# KiCad board ulx4m_panel.kicad_pcb (continued)
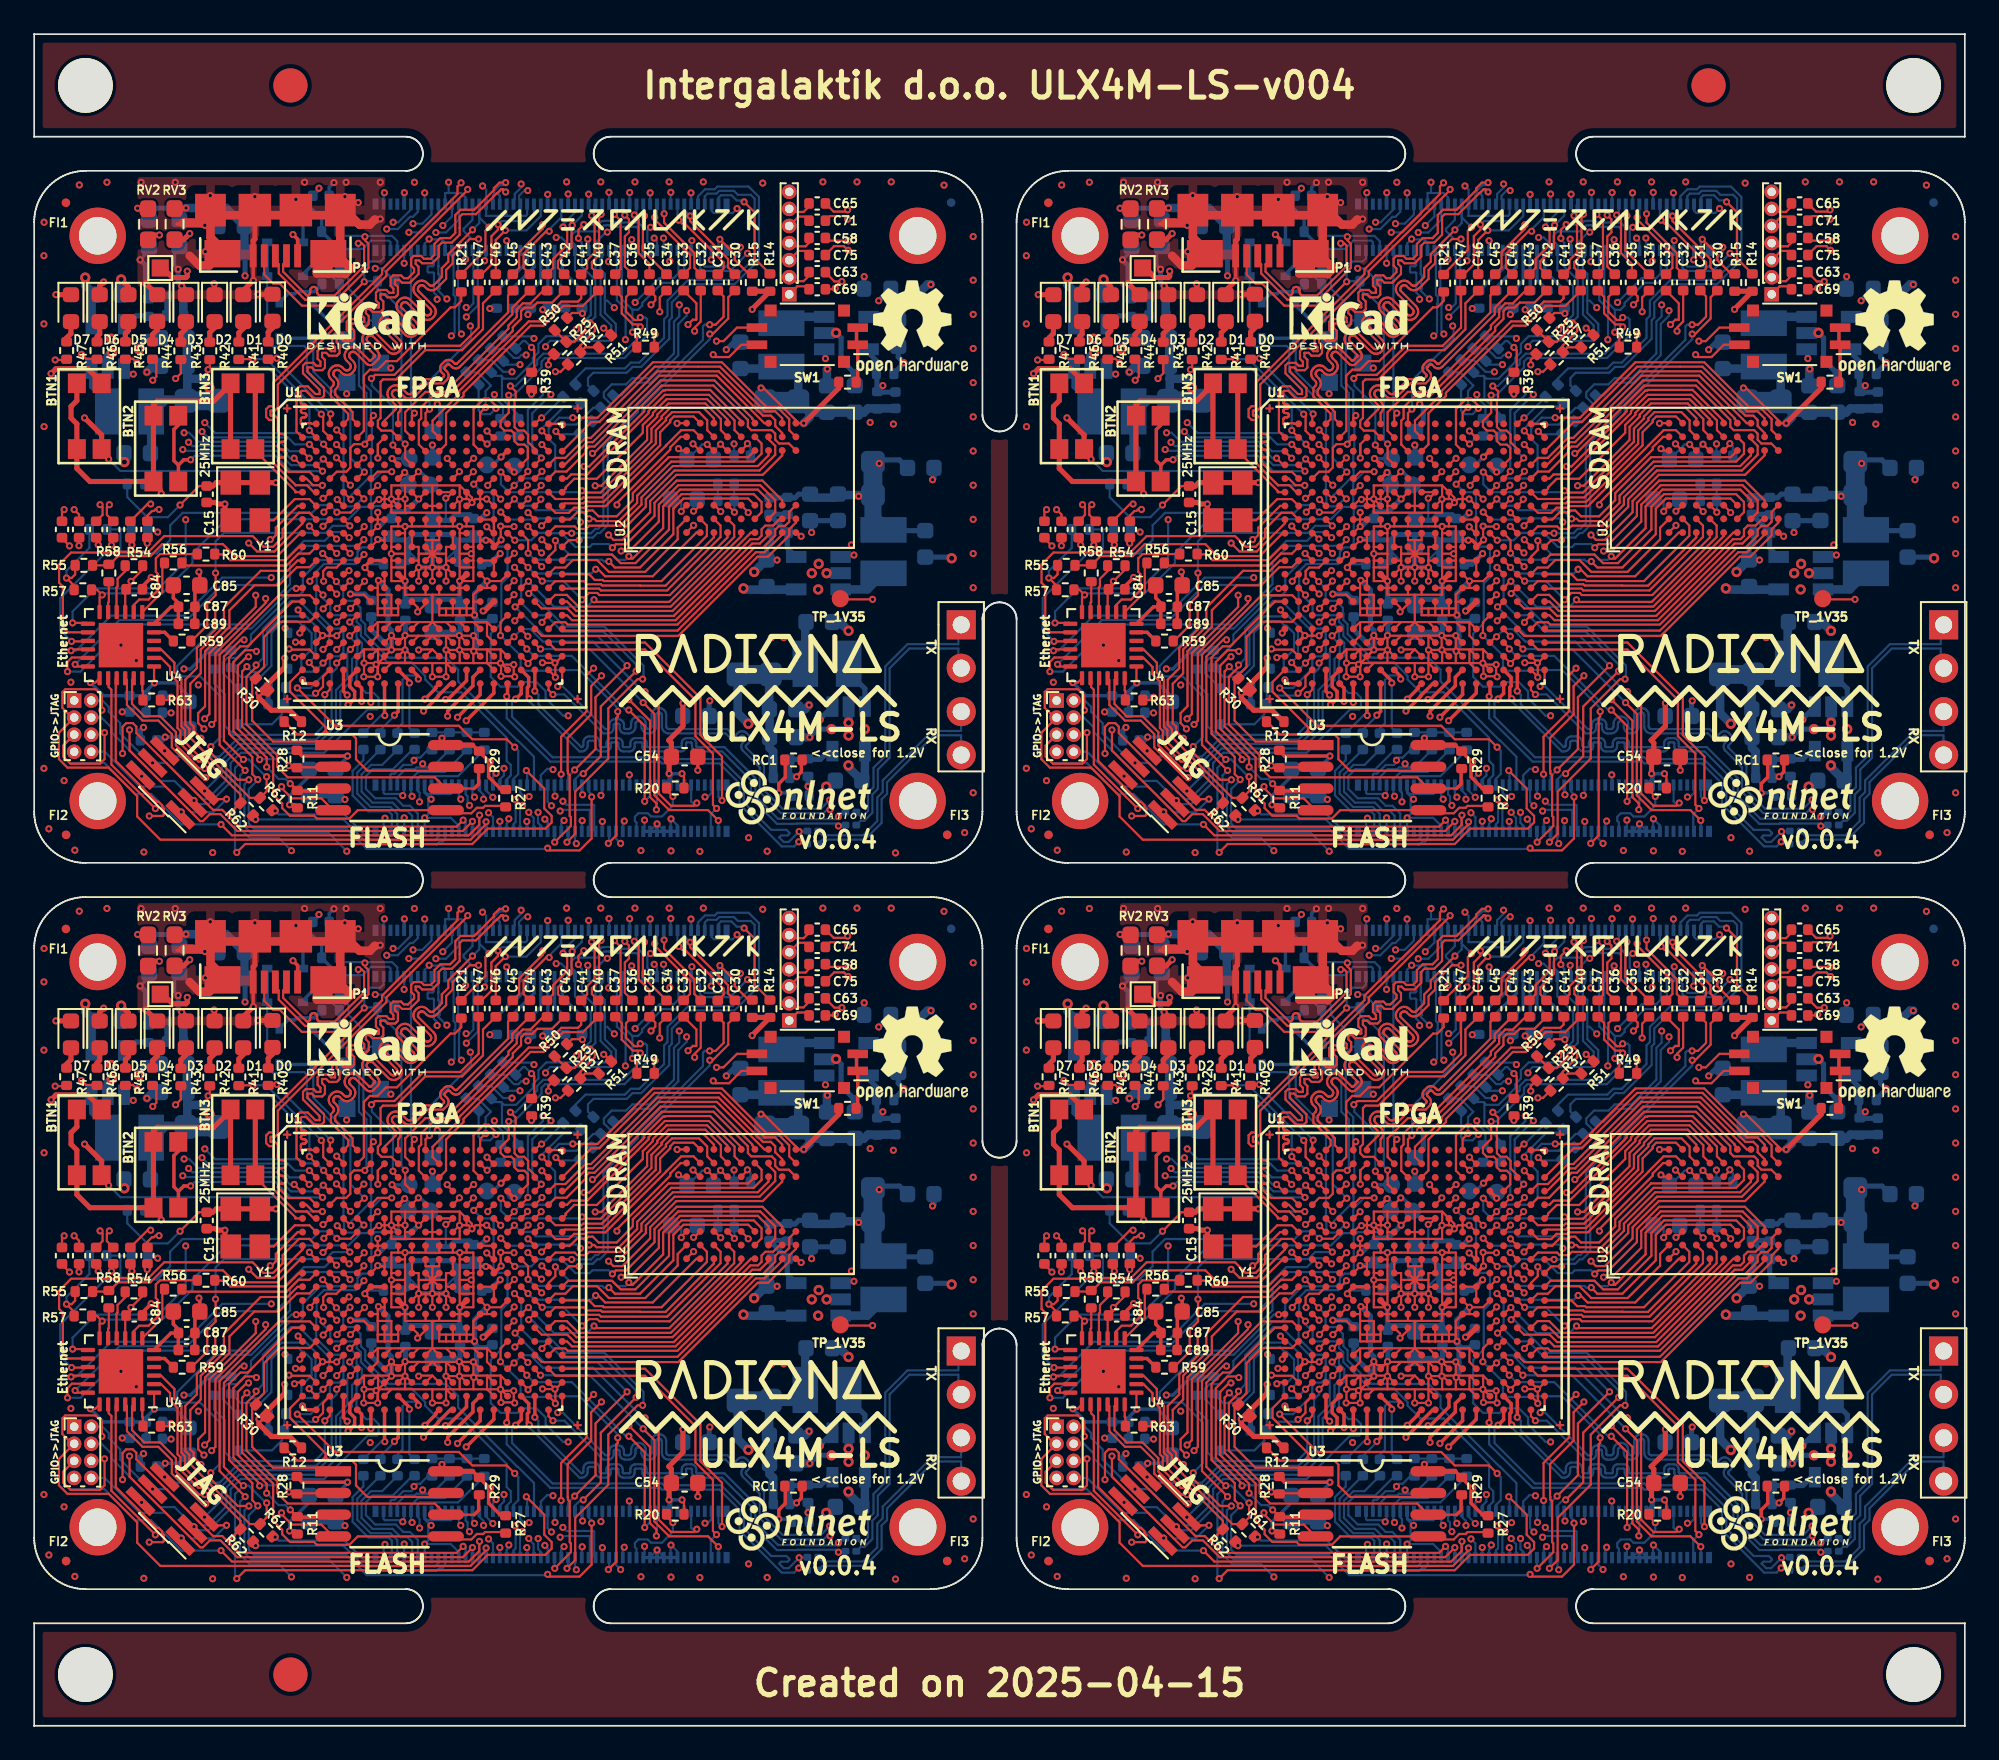
[diagram p0: board, top side]
## Routing (per net, layer and track width the routed paths; a pad name or vN(x,y) marks a point on that pad's centre or on a via; arc(x,y) is an arc through that point) (continued)
  Top w0.3: v1(70.67,60.45) 71.05,60.45 71.19,60.6 ; v1(70.67,60.45) 70.67,60.16 71.39,59.44 72.46,59.44 73.13,58.77 ; v1(70.67,60.45) 72.18,61.97 v1(72.18,62.49) ; v1(70.67,60.45) 70.63,60.42 ; 74.45,63.83 74.43,63.81 v1(74.39,63.81) ; v1(66.62,87.33) 66.26,86.97 RV3#4.2 ; v1(95.49,59.85) 95.49,58.51 94.66,57.68 94.81,57.53 C54#3.1 94.68,56.59 v3(94.68,55.73) ; R70#3.1 104.61,78.29 v1(102.56,76.24) ; C15.1 67.97,72.56 68.17,72.76 Y1#4.1 Y1#4.4 71.66,72.76 v1(71.66,72.75) ; 83.18,57.4 U3#2.8
  POWER.Cu w0.127: 95.18,78.6 95.15,78.56 v1(95.15,76.23) ; v1(63.17,66.98) 63.07,66.88 59.7,66.88 v1(59.4,67.18) ; v3(76.87,67.79) 77.09,67.57 77.99,67.57 78.14,67.42 78.14,67.02 v3(79.96,65.2)
  POWER.Cu w0.2: 73.35,68.19 73.32,68.22 72,68.22 ; v1(74.18,89.99) 75.6,88.57 76.77,88.57 77.48,87.86 v1(77.48,85.3) 77.48,83.14 80.84,79.78 82.47,79.78 84.56,81.87 86.27,81.87 v3(87.28,82.88) 87.28,81.85 87.53,81.6 87.89,81.6 90.89,78.6 99.76,78.6 v3(100.06,78.3) ; 94.11,55.75 94.35,55.75 94.36,55.76 94.65,55.76 v3(94.68,55.73) 94.68,55.72 v3(95.43,55.72) ; 70.76,68.22 70.44,68.53 70.44,68.87
  POWER.Cu w0.3: 70.44,68.87 70.36,68.79 70.36,68.53 70.62,68.27 70.76,68.27 70.81,68.21 71.05,68.21 71.22,68.05 72,68.05 ; v3(75.85,56.76) 74.06,56.76 70.67,60.15 v1(70.67,60.45) 69.65,59.44 67.2,59.44 66.28,60.36 v1(66.28,61.86) ; v3(75.85,56.76) 76.8,55.81 83.62,55.81 v1(84.21,56.4) 84.42,56.61 93.25,56.61 94.11,55.75 ; v3(75.85,56.76) 73,53.9 v3(72.46,53.9) 72.33,54.03 71.38,54.03 71.09,53.74 67.13,53.74 66.85,53.46 64.72,55.58 v1(63.8,55.58) 63.8,57.05 64.62,57.87 v1(65.18,57.87) ; 72.2,62.27 72.2,62.47 v1(72.18,62.49) ; 72,68.05 72,66.42 72.33,66.09 72.33,65.97 73.02,65.97 73.6,65.39 ; 72,68.05 72,68.22 ; v1(84,71) 84.01,70.99 v1(84.01,70.17) ; v1(66.62,87.33) 67.19,87.33 68.75,85.78 73.98,85.78 76.77,88.57 ; v3(106.1,84.82) 106.1,83.62 104.86,82.38 103.54,82.38 103,81.84 103,81.24 v3(100.06,78.3) ; 73.35,68.19 74.01,68.19 ; v1(75.22,63.8) 74.4,63.8 v1(74.39,63.81)
  POWER.Cu w0.5: v1(74.39,63.81) 73.6,64.6 73.6,65.39
  Bottom w0.127: v1(99.26,75.04) 99.44,74.86 C80.1 ; v1(96.91,75) 96.62,75 95.74,74.12 C78.1 95.73,74.25 v1(95.23,74.74) ; R19#4.2 77.88,85.3 v1(77.48,85.3) ; 71.2,60.77 R31#2.1 ; v3(76.87,67.79) 77.06,67.98 C14#4.1 ; J1#4.84 J1#4.86 ; v1(96.11,71.09) 96.12,71.09 96.33,71.29 C82#3.1 ; RP3#2.2 100.06,77.76 v3(100.06,78.3) ; R53.1 60.74,68.96 60.75,68.95 59.4,67.6 v1(59.4,67.18) ; v3(66.05,71.45) 65.34,70.74 64.13,70.74 62.96,71.91 R18#4.2 ; R67#4.2 R66#4.2 ; R67#4.2 R65.2 R64#4.2 ; R67#4.2 81.71,58.14 v3(81.38,57.81) ; C79#2.1 C81#3.1 98.5,71.68 v1(98.5,71.03) ; 84.03,67.98 C13#4.1 ; v3(81.61,71.85) 81.61,70.55
  Bottom w0.2: C51#4.1 75.85,56.7 v3(75.85,56.76) ; C50.1 73.59,55.56 72.46,54.43 v3(72.46,53.9) ; J1#4.84 94.68,55.37 v3(94.68,55.73) ; v1(66.28,61.86) 66.66,61.86 67.72,62.92 69.04,62.92 ; v3(87.28,82.88) 87.37,82.97 R16#2.1 88.57,82.97 R8#2.1 ; v1(65.18,57.87) 65.96,57.87 66.45,58.36 FB1#3.1 ; v1(74.18,89.99) 74.18,89.91 C18#3.1 ; J1#4.86 94.77,55.59 94.9,55.72 v3(95.43,55.72)
  Bottom w0.3: v3(106.1,84.82) 106.08,84.8 C52#2.1 ; C21#4.1 64.99,57.68 v1(65.18,57.87) ; C99#4.2 71.2,60.77 ; C20.1 81.83,70.55 82.15,70.88 83.02,70.88 C25#4.1 83.66,70.66 v1(84,71) ; 84.03,67.98 84.17,67.98 v1(84.79,68.6) ; C50.1 C51#4.1 ; R31#2.1 70.99,60.78 v1(70.67,60.45) ; v1(95.49,59.85) 95.48,59.83 C16.1
  Bottom w0.5: 101.25,79.25 101.07,79.43 C24#2.1 ; 102.9,76.86 RP3#2.1 102.24,78.93 101.62,79.55 L3#3.2 ; 102.9,76.86 106.07,76.86 106.32,77.1 C6#3.1 ; 102.9,76.86 102.9,76.57 v1(102.56,76.24)
Board_1-DSI0_C_N: length 20.9
  Top w0.127: R39#4.1 86.79,79.37 86.79,80.51 v1(86.62,80.67)
  In2signal.Cu w0.127: v1(86.62,80.67) 86.81,80.67 87.27,81.12 v1(92.12,81.12)
  POWER.Cu w0.127: v1(92.12,81.12) 92.13,81.13 92.13,82.75 v1(92.69,83.31)
  Bottom w0.127: J2#3.87 95.22,86.29 95.22,85 94.95,84.73 94.11,84.73 v1(92.69,83.31) ; 91.57,86.2 91.62,86.14 91.62,83.42 92.13,82.91 92.13,81.11 ; R38.2 86.13,81.05 86.25,81.05 v1(86.62,80.67)
Board_1-DSI0_C_P: length 20.5
  Top w0.127: v1(92.53,81.56) 92.79,81.3 R49.1
  In2signal.Cu w0.127: v1(86.77,81.2) 88.88,83.31 90.48,83.31 92.24,81.56 v1(92.53,81.56)
  Bottom w0.127: v1(86.77,81.2) 86.65,81.32 R26#3.1 ; 92.53,82.87 v1(92.53,81.56) ; 92.53,82.87 91.91,83.49 91.91,86.14 91.97,86.2 ; 92.53,82.87 92.86,82.87 93.09,83.1 93.1,83.1 93.1,83.27 94.28,84.45 95.05,84.45 95.57,84.96 J2#3.89
Board_1-DSI0_D0_N: length 16.3
  Top w0.127: R51.1 89.76,80.68 R37#4.2 89.48,80.78 90.33,81.63 90.33,82.02 90.1,82.25 89.77,82.25 v1(89.25,81.73)
  Bottom w0.127: 89.17,86.2 89.17,85.19 90.09,84.27 90.09,82.57 v1(89.25,81.73) ; J2#3.75 92.86,86.44 92.86,86.83 92.89,86.86 92.89,87.59 92.76,87.73 91.35,87.73 91.28,87.8 91.18,87.8 91.15,87.83 91.01,87.83 90.99,87.81 90.85,87.81 90.5,87.46 89.18,87.46 88.95,87.23 88.95,86.88 89.17,86.67 J2#3.57
Board_1-DSI0_D0_P: length 14.3
  Top w0.127: v1(89.68,87.86) 89.37,87.55 v1(89.37,87.06) ; R50.1 87.98,81.68 R25#2.1 89.13,81 v1(89.92,81.78)
  Bottom w0.127: J2#3.77 93.15,86.37 93.15,87.7 92.87,87.98 91.46,87.98 91.39,88.05 91.29,88.05 91.26,88.08 90.9,88.08 90.89,88.07 90.75,88.07 90.55,87.86 v1(89.68,87.86) ; v1(89.92,81.78) 89.92,82.02 90.36,82.47 90.36,84.62 89.57,85.41 89.57,86.2 ; v1(89.37,87.06) 89.37,87 89.57,86.8 J2#3.59
Board_1-DSI0_D1_N: length 22.3
  In2signal.Cu w0.127: v1(91.06,87.42) 91.55,87.91 92.81,87.91 93.65,87.07 v1(93.8,87.07)
  Bottom w0.127: R48#3.1 85.83,76.74 84.89,77.68 84.89,78.96 84.85,79.01 ; 84.85,79.01 85.02,78.84 85.72,78.84 86.7,79.83 86.7,80.05 87.03,80.38 87.03,80.87 87.49,81.33 91.23,81.33 91.29,81.39 91.29,81.95 90.67,82.58 90.67,84.87 90.37,85.17 90.37,86.2 ; 84.85,79.01 84.47,79.01 R36#3.2 ; v1(91.06,87.42) 90.98,87.42 90.37,86.8 J2#3.63 ; v1(93.8,87.07) 93.97,86.9 J2#3.81
Board_1-DSI0_D1_P: length 28.7
  In2signal.Cu w0.127: v1(87.45,80.71) 87.45,80.5 86.19,79.24 v1(85.48,79.24) 85.15,79.24 84.45,78.55 v1(84.45,77.91) ; v1(91.47,83) 90.53,83.94 90.53,86.29 91.85,87.61 92.69,87.61 93.71,86.59 94.35,86.59 v1(94.35,87.07)
  Bottom w0.127: 90.77,86.2 90.77,85.96 90.66,85.85 90.66,85.24 90.92,84.98 90.92,83.41 ; R52#4.1 84.96,76.64 84.96,77.25 84.45,77.76 v1(84.45,77.91) ; v1(94.35,87.07) 94.37,87.05 J2#3.83 ; 90.92,83.41 91.06,83.41 v1(91.47,83) ; 90.92,83.41 90.92,82.69 91.56,82.05 91.56,81.3 91.32,81.06 87.72,81.06 87.45,80.78 v1(87.45,80.71) ; v1(85.48,79.24) 84.96,79.24 84.28,79.93 R24#4.1
Board_1-DSI1_D2_N: length 21.5
  In2signal.Cu w0.127: v1(95.27,83.16) 95.48,83.37 98.4,83.37 99.46,84.43 99.46,85.99 v1(99.27,86.18)
  Bottom w0.127: v1(95.27,83.16) 95.27,82.49 94.96,82.18 94.96,80.32 93.51,78.87 92.52,78.87 92.16,78.51 91.32,78.51 90.86,78.04 90.86,77.76 91.24,77.37 91.24,76.97 90.62,76.35 R34.2 ; v1(99.27,86.18) 98.24,85.14 96.67,85.14 96.49,85.33 96.49,85.91 96.37,86.04 J2#3.93
Board_1-DSI1_D2_P: length 19.1
  In2signal.Cu w0.127: v1(95.7,82.82) 95.99,83.11 98.5,83.11 99.71,84.32 99.71,86.45 99.42,86.74 99.06,86.74 v1(98.85,86.53)
  Bottom w0.127: v1(95.7,82.82) 95.7,82.53 95.22,82.04 95.22,80.21 93.61,78.61 92.63,78.61 91.88,77.86 R22#3.1 ; v1(98.85,86.53) 98.85,86.24 98.01,85.4 96.78,85.4 96.74,85.43 96.74,86.32 J2#3.95
Board_1-DSI1_D3_N: length 23.1
  Bottom w0.127: R35.2 89.93,78.45 89.93,78.88 90.24,79.19 92.2,79.19 92.54,79.53 93.04,79.53 94.69,81.17 94.69,82.26 94.84,82.41 94.84,83.3 95.9,84.37 98.51,84.37 99.94,85.8 99.94,89.48 99.33,90.08 97.51,90.08 97.35,89.93 96.78,89.93 96.37,89.51 J2#3.94
Board_1-DSI1_D3_P: length 22.1
  Bottom w0.127: R23#2.1 89.2,78.85 89.79,79.44 92.1,79.44 92.44,79.78 92.94,79.78 94.38,81.23 94.38,82.32 94.58,82.52 94.58,83.41 95.79,84.62 98.4,84.62 99.69,85.9 99.69,89.37 99.46,89.6 98.71,89.6 98.48,89.83 97.61,89.83 97.45,89.67 96.93,89.67 96.77,89.51 J2#3.96
Board_1-ETH_0N: length 30.3
  Top w0.127: v1(64.6,53.68) 62.03,56.25 62.03,60.64 61.87,60.8 61.87,61.28 U4#2.20
  In2signal.Cu w0.127: v1(79.63,54.4) 79.63,54.11 79.34,53.81 72.97,53.81 72.24,53.09 71.36,53.09 70.75,53.7 67.24,53.7 66.63,53.09 65.94,53.09 65.35,53.68 v1(64.6,53.68)
  Bottom w0.127: v1(79.63,54.4) 79.57,54.47 J1#4.10 79.57,55.4 80,55.83 81.56,55.83 R65.1
Board_1-ETH_0P: length 33.2
  Top w0.127: v1(64.25,53.25) 65.03,53.25 65.1,53.31 65.1,53.66 65,53.76 65,53.88 64.8,54.08 64.68,54.08 62.28,56.47 62.28,61.25 U4#2.21
  In2signal.Cu w0.127: v1(64.25,53.25) 64.28,53.28 65.39,53.28 65.83,52.83 66.74,52.83 67.35,53.45 70.64,53.45 71.25,52.83 72.34,52.83 73.07,53.56 79.55,53.56 v1(80.07,54.08)
  Bottom w0.127: R64#4.1 82.32,55.58 80.1,55.58 79.97,55.44 J1#4.12 79.97,54.71 80.07,54.61 v1(80.07,54.08)
Board_1-ETH_1N: length 27.2
  Top w0.127: v1(67.55,55.49) 67.35,55.49 65.57,57.26 65.57,58.04 64.78,58.83 63.85,58.83 62.94,59.74 62.94,61.21 U4#2.22
  In2signal.Cu w0.127: v1(80.25,56.3) 80.17,56.3 78.77,54.91 73.51,54.91 72.91,54.31 71.3,54.31 70.91,54.7 68.72,54.7 67.93,55.49 v1(67.55,55.49)
  Bottom w0.127: v1(80.25,56.3) 80.47,56.08 80.75,56.08 ; 80.75,56.08 80.79,56.08 R67#4.1 ; 80.75,56.08 79.89,56.08 79.79,55.98 79.24,55.98 78.77,55.51 J1#4.6
Board_1-ETH_1P: length 25.4
  Top w0.127: U4#2.23 63.24,61.21 63.24,59.8 63.96,59.09 64.88,59.09 65.81,58.16 65.81,57.38 67.16,56.03 v1(67.49,56.03)
  In2signal.Cu w0.127: v1(67.49,56.03) 67.79,56.03 68.86,54.96 71.19,54.96 71.58,54.56 72.76,54.56 73.36,55.16 78.69,55.16 79.75,56.22 v1(79.75,56.51)
  Bottom w0.127: R66#4.1 80.56,57.12 80.11,56.67 79.9,56.67 v1(79.75,56.51) ; J1#4.4 78.37,55.66 78.43,55.73 78.61,55.73 79.12,56.23 79.59,56.23 79.84,56.49
Board_1-ETH_2N: length 8.2
  Bottom w0.127: J1#4.9 79.64,52.42 79.64,53.26 79.36,53.54 78.98,53.54 78.49,54.03 77.31,54.03 76.68,54.67 76.68,55.68 77.23,56.23 77.88,56.23 C73#3.2
Board_1-ETH_2P: length 8.6
  Bottom w0.127: 79.66,57.14 78.5,55.98 77.33,55.98 76.93,55.58 76.93,54.83 77.48,54.28 78.68,54.28 79.12,53.85 79.51,53.85 79.97,53.39 79.97,52.5
Board_1-ETH_3N: length 6.8
  Bottom w0.127: 78.77,52.5 78.77,53.37 78.36,53.77 77.21,53.77 76.42,54.56 76.42,55.79 77.77,57.14
Board_1-ETH_3P: length 6.7
  Bottom w0.127: J1#4.3 78.45,52.43 78.45,53.33 78.26,53.52 77.08,53.52 76.15,54.45 76.15,55.89 76.78,56.52 C62#2.1
Board_1-ETH_MDC: length 24.1
  Top w0.127: v1(76.83,70.19) 76.44,69.8 U1#4.J5 ; U4#2.13 60.6,64.55 v1(59.76,64.55)
  In2signal.Cu w0.127: 74.59,69.78 74.83,70.01 74.83,70.55 74.91,70.63 76.39,70.63 v1(76.83,70.19) ; 74.61,69.78 73.51,69.78 72.7,70.59 v1(66.38,70.59)
  Bottom w0.127: v1(66.38,70.59) 66.38,68.16 64.79,66.57 61.11,66.57 59.76,65.22 v1(59.76,64.55)
Board_1-ETH_MDIO: length 24.2
  Top w0.127: v1(78.44,73.4) 77.62,73.4 U1#4.E6 ; R57#2.2 61.19,66.49 v1(61.49,66.19) 61.34,66.04 U4#2.12
  Bottom w0.127: v1(78.44,73.4) 77.85,73.4 77.22,72.77 77.22,71.48 77.08,71.34 76.63,71.34 75.91,70.62 68.77,70.62 66.78,68.63 66.78,68.05 65.01,66.28 61.58,66.28 v1(61.49,66.19)
Board_1-ETH_nLED1: length 12.6
  Top w0.127: R62.1 70.47,53.12 v1(70.47,53.04)
  Bottom w0.127: v1(70.47,53.04) 75.61,53.04 77.08,51.57 81.08,51.57 81.26,51.75 81.43,51.75 81.57,51.89 J1#4.19
Board_1-ETH_nLED2: length 10.9
  Top w0.127: v1(71.62,53.55) 71.49,53.55 R61#4.1
  Bottom w0.127: v1(71.62,53.55) 71.83,53.34 75.68,53.34 77.19,51.83 80.97,51.83 81.17,52.02 J1#4.17
Board_1-ETH_~{RESET}: length 27.1
  Top w0.127: v1(59.7,63.47) 60.62,63.47 U4#2.15 ; v1(75.23,71.03) 75.25,71.01 76.03,71.01 U1#4.G5
  Bottom w0.127: 62.53,68.62 62.56,68.65 62.56,70.02 ; 62.53,68.62 64.69,68.62 65.47,69.4 65.47,70.26 66.2,70.99 73.77,70.99 74.22,71.44 74.82,71.44 v1(75.23,71.03) ; 62.53,68.62 61.66,68.62 59.04,66 59.04,64.13 v1(59.7,63.47) ; 62.56,70.02 C83.2 ; 62.56,70.02 R53.2
Board_1-FPDI_CLK+: length 19.7
  Top w0.127: U1#4.J20 88.97,69.8 v1(88.97,69.79) ; v1(97.05,82) 97.4,82 97.87,82.47 97.87,83.66 C31#4.1
  Bottom w0.127: 89.07,69.91 89.18,69.79 90.1,69.79 90.37,70.06 90.52,70.06 90.84,70.37 90.84,72.04 90.83,72.05 90.83,74.86 92.86,76.88 92.86,77.32 96.66,81.12 96.66,81.9 96.76,82 v1(97.05,82)
Board_1-FPDI_CLK-: length 20
  Top w0.127: C30#2.1 98.14,83.61 98.14,82.36 97.23,81.45 v1(97.06,81.45) ; v1(89.41,69.39) 88.82,69.39 U1#4.K20
  Bottom w0.127: v1(97.06,81.45) 97.06,81.16 93.11,77.21 93.11,76.78 91.09,74.75 91.09,72.15 91.09,72.15 91.09,70.27 90.63,69.8 90.48,69.8 90.21,69.54 89.48,69.54
Board_1-FPDI_D0+: length 21.3
  Top w0.127: v1(86.39,72.61) 86.39,72.56 U1#4.F17 ; v1(95.79,82.01) 96.07,82.29 96.28,82.29 96.28,83.25 C33.1
  In2signal.Cu w0.127: v1(95.79,82.01) 95.79,81.8 93.65,79.66 92.94,79.66 91.76,78.48 91.73,78.46 91.71,78.45 91.68,78.44 91.65,78.44 91.63,78.45 91.6,78.46 91.58,78.48 91.47,78.59 91.41,78.64 91.34,78.67 91.26,78.69 91.18,78.69 91.1,78.67 91.03,78.64 90.97,78.59 90.87,78.49 90.82,78.43 90.78,78.35 90.77,78.27 90.77,78.19 90.78,78.12 90.82,78.04 90.87,77.98 90.97,77.88 90.99,77.86 91,77.83 91.01,77.8 91.01,77.77 91,77.75 90.99,77.72 90.97,77.7 90.91,77.63 ; v1(86.39,72.61) 86.01,72.98 86.01,76.45 86.96,77.4 88.81,77.4 88.86,77.4 88.91,77.42 88.95,77.44 88.98,77.48 89.01,77.52 89.02,77.57 89.03,77.62 89.03,77.77 89.04,77.87 89.07,77.97 89.13,78.06 89.2,78.13 89.29,78.18 89.38,78.21 89.48,78.23 89.54,78.23 89.64,78.21 89.73,78.18 89.82,78.13 89.89,78.06 89.95,77.97 89.98,77.87 89.99,77.77 89.99,77.62 90,77.57 90.01,77.52 90.04,77.48 90.07,77.44 90.11,77.42 90.16,77.4 90.21,77.4 90.67,77.4 90.91,77.64
Board_1-FPDI_D0-: length 22
  Top w0.127: v1(87.17,71.79) 87.17,71.75 U1#4.G18 ; v1(96.17,81.62) 96.17,81.83 96.53,82.19 C32#3.1
  In2signal.Cu w0.127: v1(96.17,81.62) 95.97,81.62 93.75,79.41 93.04,79.41 91.92,78.29 91.86,78.24 91.78,78.2 91.71,78.18 91.63,78.18 91.55,78.2 91.48,78.24 91.41,78.29 91.31,78.39 91.29,78.41 91.26,78.42 91.23,78.43 91.21,78.43 91.18,78.42 91.15,78.41 91.13,78.39 91.06,78.32 91.05,78.3 91.03,78.28 91.03,78.25 91.03,78.22 91.03,78.19 91.05,78.17 91.06,78.15 91.17,78.04 91.22,77.98 91.25,77.91 91.27,77.83 91.27,77.75 91.25,77.67 91.22,77.6 91.17,77.54 90.98,77.35 90.77,77.14 90.18,77.14 90.08,77.15 89.99,77.18 89.9,77.23 89.83,77.31 89.77,77.39 89.74,77.49 89.73,77.59 89.73,77.75 89.72,77.79 89.71,77.84 89.68,77.88 89.65,77.92 89.61,77.94 89.56,77.96 89.51,77.97 89.46,77.96 89.41,77.94 89.37,77.92 89.34,77.88 89.31,77.84 89.3,77.79 89.29,77.75 89.29,77.59 89.28,77.49 89.25,77.39 89.19,77.31 89.12,77.23 89.03,77.18 88.94,77.15 88.84,77.14 87.06,77.14 86.27,76.35 86.27,74.14 86.81,73.6 86.81,72.81 86.79,72.79 86.79,72.17 v1(87.17,71.79)
Board_1-FPDI_D1+: length 17
  Top w0.127: U1#4.D18 87.2,74.17 v1(87.2,74.2) ; v1(93.62,83.17) 93.87,83.42 93.87,83.66 C35#4.1
  In2signal.Cu w0.127: v1(93.62,83.17) 94.29,83.17 94.64,82.82 94.64,81.23 94.09,80.69 93.12,80.69 91.89,79.46 90.08,79.46 88.76,78.14 87.99,78.14 v1(87.76,77.91)
  Bottom w0.127: v1(87.2,74.2) 86.67,74.73 86.67,76.82 v1(87.76,77.91)
Board_1-FPDI_D1-: length 17
  Top w0.127: U1#4.E17 86.41,73.39 v1(86.41,73.42) ; v1(94.13,82.76) 94.13,83.6 C34#4.1
  In2signal.Cu w0.127: v1(94.13,82.76) 94.34,82.55 94.34,81.3 93.99,80.94 93.02,80.94 91.79,79.71 89.98,79.71 88.66,78.4 87.5,78.4 v1(87.29,78.19)
  Bottom w0.127: v1(87.29,78.19) 87.29,77.89 86.41,77.01 v1(86.41,73.42)
Board_1-FPDI_D2+: length 17.1
  Top w0.127: U1#4.C18 86.82,74.73 86.43,75.12 86.43,75.56 86.19,75.81 85.83,75.81 85.63,76.01 85.63,77.55 85.7,77.62 85.7,78.1 v1(85.39,78.41) ; v1(92.99,81.87) 92.84,82.02 92.55,82.02 91.9,82.66 91.9,83.62 C37#2.1
  Bottom w0.127: v1(85.39,78.41) 85.68,78.41 86.96,79.68 86.96,79.95 87.31,80.3 91.95,80.3 92.99,81.35 v1(92.99,81.87)
Board_1-FPDI_D2-: length 19.2
  Top w0.127: v1(85.29,77.87) 85.29,76.85 84.81,76.36 84.81,76.03 85.03,75.81 85.44,75.81 85.62,75.63 85.62,75.2 85.83,74.99 86.21,74.99 86.41,74.78 86.41,74.19 U1#4.D17 ; v1(92.99,82.42) 92.84,82.27 92.65,82.27 92.16,82.77 92.16,83.62 C36#2.1
  Bottom w0.127: v1(85.29,77.87) 85.59,77.87 87.21,79.49 87.21,79.84 87.42,80.05 92.06,80.05 93.39,81.38 93.39,82.32 93.29,82.42 v1(92.99,82.42)
Board_1-GLOBAL_EN: length 18.5
  Top w0.127: U1#4.U18 86.82,63.35 v1(87.15,63.02) ; v1(97.56,52.99) 96.95,53.59 94.68,53.59 93.82,54.46 93.82,59.23 v1(93.16,59.88)
  Bottom w0.127: v1(87.15,63.02) 90.02,63.02 v1(93.16,59.88) ; J1#4.99 97.57,52.98 v1(97.56,52.99)
Board_1-GN0: length 14.4
  Top w0.127: C40#3.1 89.63,83.09 88.48,83.09 87.32,81.94 86.56,81.94 82.64,78.02 82.64,77.84 81.62,76.82 81.62,75 U1#4.C11
Board_1-GN3: length 14.4
  Top w0.127: U1#4.C10 80.03,74.99 80.03,76.38 80.17,76.52 80.17,77.16 80.81,77.81 81.7,77.81 85.53,81.64 85.53,81.85 86.01,82.34 86.01,82.79 86.22,83 86.67,83 86.97,83.29 87.83,83.29 C42#3.1
Board_1-GN4: length 14
  Top w0.127: U1#4.A8 78.82,76.83 78.84,76.85 78.9,76.93 78.95,77.02 78.97,77.12 78.97,77.22 78.95,77.32 78.9,77.41 78.84,77.48 78.52,77.81 78.49,77.85 78.47,77.89 78.45,77.94 78.45,77.99 78.47,78.04 78.49,78.08 78.52,78.12 78.56,78.15 78.6,78.17 78.65,78.19 78.7,78.19 78.75,78.17 78.79,78.15 78.83,78.12 79.15,77.8 79.23,77.74 79.32,77.69 79.42,77.67 79.52,77.67 79.62,77.69 79.71,77.74 79.79,77.8 80.55,78.56 81.46,78.56 81.67,78.78 81.72,78.84 81.75,78.91 81.77,78.98 81.77,79.06 81.75,79.13 81.72,79.2 81.67,79.26 81.57,79.37 81.55,79.39 81.54,79.41 81.53,79.43 81.53,79.46 81.54,79.48 81.55,79.5 81.57,79.52 81.69,79.65 81.71,79.66 81.73,79.67 81.75,79.68 81.78,79.68 81.8,79.67 81.83,79.66 81.85,79.65 81.95,79.54 82.01,79.49 82.08,79.46 82.15,79.44 82.23,79.44 82.31,79.46 82.38,79.49 82.44,79.54 85.5,82.61 85.5,83 86.5,84 C44.1
Board_1-GN5: length 14
  Top w0.127: U1#4.B8 78.42,75.8 77.84,75.8 77.63,76.01 77.63,76.38 77.79,76.54 77.79,78.66 77.93,78.8 78.69,78.8 80.4,80.51 82.56,80.51 83.78,81.73 83.78,83.25 C46#4.1
Board_1-GND: length 339.2
  Top w0.127: U1#4.U14 83.22,63.8 v1(83.22,63.8) ; 81.62,62.2 82.42,62.2 ; 81.62,62.2 U1#4.W12 ; 81.62,62.2 80.82,62.2 ; 81.62,62.2 v1(81.62,62.97) ; 81.62,62.2 v1(81.62,61.4) v1(80.82,61.4) 80.82,62.2 ; 82.42,62.2 82.42,62.98 ; 82.42,62.2 83.22,62.2 ; 77.62,66.6 77.62,67 ; 77.62,66.6 U1#4.N6 ; 77.62,66.6 77.62,66.2 ; 77.62,67 77.66,67.04 v1(77.66,67.04) ; 77.62,67 78.02,67 ; U1#4.C19 v1(87.23,74.99) ; 80.42,67.8 v1(80.82,67.8) ; 80.42,67.8 U1#4.M10 ; 80.42,67.8 v1(80.02,67.8) ; v1(80.82,67.8) 81.22,67.8 ; v1(80.82,67.8) v1(80.82,67) ; v1(80.82,67.8) 80.82,68.6 ; v1(82.39,63.81) 82.39,63.04 82.44,63 ; v1(82.39,63.81) 82.38,63.8 81.62,63.8 ; v1(82.39,63.81) 82.41,63.8 v1(83.22,63.8) ; v1(82.39,63.81) 82.4,63.81 U1#4.U13 ; 78.02,69.4 77.66,69.4 v1(77.62,69.43) 77.62,69.4 U1#4.K6 ; 78.02,69.4 U1#4.K7 ; 78.02,69.4 U1#4.J7 ; v1(79.22,71.8) 79.22,71.4 ; v1(79.22,71.8) 78.82,71.8 ; v1(79.22,71.8) 79.22,72.6 ; 79.22,71.4 U1#4.G9 ; 79.22,71.4 79.22,71 ; v1(83.22,63.8) 83.22,62.91 v1(83.24,62.89) ; U1#4.J2 73.62,70.2 v1(73.62,70.21) ; v1(77.62,61.4) 77.62,62.16 v1(78.42,62.97) ; v1(77.62,61.4) v1(76.8,61.4) 76.82,61.41 v1(76.82,62.2) ; v1(77.62,61.4) 77.62,62.03 v1(77.53,62.12) ; v1(93.86,81.44) 93.81,81.39 R49.2 ; 80.82,62.2 79.22,62.2 ; U1#4.P13 82.82,65.4 ; 82.82,65.4 82.42,65.4 ; 82.82,65.4 83.22,65.4 ; 82.82,65.4 82.82,65 ; 82.42,65.4 82.42,65 ; 82.42,65.4 82.02,65.4 ; 79.22,71 78.42,71 v1(78.42,71.8) ; 79.22,71 80.82,71 ; v1(89.6,82.66) 89.58,82.69 88.99,82.69 R50.2 ; U1#4.G6 77.6,71.77 v1(77.7,71.77) 77.72,71.8 v1(78.42,71.8) ; v1(87.22,70.23) 87.58,70.6 U1#4.H19 ; 84.82,63 84.82,62.2 v1(84.81,62.19) ; 84.82,63 84.04,63 ; 84.82,63 U1#4.V16 ; v1(81.62,67.8) 81.22,67.8 ; v1(81.62,67.8) v1(81.62,67) ; v1(81.62,67.8) U1#4.M12 ; v1(81.62,67.8) 81.62,68.2 ; 81.22,67.8 U1#4.M11 ; 78.82,71.8 U1#4.F8 ; 78.82,71.8 v1(78.42,71.8) ; v1(84.81,62.19) 84.8,62.2 84.02,62.2 ; v1(84.81,62.19) 84.84,62.16 v1(84.84,61.42) 85.61,61.42 v1(85.64,61.4) 85.58,61.45 v1(85.58,62.11) 84.89,62.11 v1(84.81,62.19) ; v1(84.81,62.19) 84.82,62.19 U1#4.W16 ; U2#3.D7 98.06,74.64 v1(97.69,75.01) ; v1(78.42,71.8) 78.42,72.6 79.22,72.6 ; v1(78.42,71.8) U1#4.G8 ; v1(79.22,63.82) 79.24,63.8 80.02,63.8 ; v1(79.22,63.82) 79.22,63.81 79.22,62.98 ; v1(79.22,63.82) 79.22,63.8 U1#4.U8 ; v1(79.22,63.82) 79.01,63.61 78.63,63.61 v1(78.42,63.82) ; U1#4.U12 81.66,63.76 81.62,63.76 ; 84.02,66.6 U1#4.N15 ; 84.02,66.6 v1(84.02,67) ; 84.02,66.6 U1#4.N14 83.22,66.2 83.22,65.78 ; U1#4.V20 88.02,62.19 ; U1#4.V12 81.65,62.97 v1(81.62,62.97) ; 82.02,65 82.42,65 ; 82.02,65 82.02,65.4 ; 82.02,65 81.62,65 ; 82.42,65 82.82,65 ; v1(77.53,62.12) 77.46,62.2 v1(76.82,62.2) ; v1(77.53,62.12) 77.53,62.1 U1#4.W6 ; v1(77.53,62.12) 77.64,62.23 77.64,63 ; v1(77.53,62.12) 77.6,62.2 78.42,62.2 ; U1#4.G10 U1#4.G11 ; 76.82,63 v1(76.82,62.2) ; 76.82,63 77.62,63 ; 76.82,63 U1#4.V5 ; U1#4.P11 81.22,65.4 ; 81.22,65.4 81.62,65.4 ; 81.22,65.4 81.22,65 81.62,65 ; R51.2 90.88,81.8 v1(90.85,81.8) ; 78.02,65.4 78.02,65 ; 78.02,65.4 77.62,65.4 ; 78.02,65.4 78.42,65.4 ; 78.02,65.4 U1#4.P7 ; 78.02,65 78.42,65 ; 78.02,65 77.62,65 77.62,65.4 ; 82.82,71.8 82.93,71.8 v1(83.14,71.59) ; 82.82,71.8 U1#4.F13 ; 82.82,71.8 82.42,71.8 v1(82.41,71.79) ; 80.02,63.8 U1#4.U9 ; 80.02,63.8 80.82,63.8 ; 83.22,65.4 83.22,65.78 ; 83.22,65.4 83.22,65.08 v1(83.29,65.01) 83.28,65 82.82,65 ; 83.22,65.78 83.23,65.8 U1#4.P14 ; v1(83.14,71.59) 82.95,71.4 U1#4.G13 ; v1(83.14,71.59) 83.14,71.88 82.42,72.6 ; v1(83.14,71.59) 83.35,71.8 83.6,71.8 ; v1(82.41,71.79) 82.41,71.79 U1#4.G12 ; v1(82.41,71.79) 82.42,71.8 82.42,72.6 ; v1(82.41,71.79) 82.42,71.78 82.42,71 80.82,71 ; 81.62,65.4 81.62,65 ; 81.62,65.4 82.02,65.4 ; U1#4.J11 81.22,69.4 80.82,69.4 ; 83.6,71.8 83.62,71.82 U1#4.F14 ; 83.6,71.8 v1(84,71.8) 84.02,71.8 U1#4.G15 ; 83.6,71.8 83.62,71.78 U1#4.G14 ; 82.42,62.98 82.44,62.98 U1#4.V13 ; 82.42,62.98 82.44,63 ; v1(99.31,71) 99.31,71.03 U2#3.E3 ; v1(78.42,62.97) 78.39,63 77.64,63 ; v1(78.42,62.97) 78.42,62.97 v1(78.42,63.82) ; v1(78.42,62.97) 78.45,63 79.24,63 79.22,62.98 ; v1(78.42,62.97) 78.39,62.97 U1#4.V7 ; U1#4.J9 U1#4.K9 80.02,69 80.02,68.6 ; U1#4.U7 78.42,63.8 v1(78.42,63.82) ; v1(65.53,60.19) 65.37,60.04 R63#3.2 ; U1#4.G4 v1(75.25,71.77) ; 80.02,68.6 80.02,68.2 ; 80.02,68.6 80.82,68.6 ; 80.02,68.2 U1#4.L9 ; 80.02,68.2 v1(80.02,67.8) ; U1#4.V6 77.62,63 ; 77.62,63 77.64,63 ; U1#4.M7 78.02,67 ; 78.02,67 U1#4.N7 ; U1#4.V8 79.19,62.97 v1(79.22,62.97) 79.25,62.97 U1#4.V9 ; 81.62,63.76 81.64,63.78 81.62,63.8 ; 81.62,63.76 v1(81.62,62.97) ; 80.82,63.8 U1#4.U11 ; 80.82,63.8 81.62,63.8 ; 80.82,63.8 U1#4.U10 ; 84.83,69.41 v1(84.85,69.41) 84.82,69.44 v1(84.82,70.21) ; 83.62,69.4 83.94,69.4 v1(83.95,69.39) 84.03,69.39 ; 83.62,69.4 U1#4.K14 ; 83.62,69.4 U1#4.J14 ; v1(85.6,70.19) 85.6,70.19 84.84,70.19 v1(84.82,70.21) ; v1(85.6,70.19) 85.62,70.19 85.64,70.21 ; v1(85.6,70.19) 85.62,70.21 ; U1#4.P12 82.02,65.4 ; 78.42,65 78.42,65.4 ; 78.42,65 78.82,65 78.82,65.4 ; v1(81.62,62.97) v1(82.41,62.97) 82.44,63 82.44,63 ; 78.42,62.2 79.22,62.2 ; 78.42,62.2 U1#4.W7 ; 80.82,72.6 80.82,71 ; 80.82,72.6 79.22,72.6 ; 80.82,72.6 82.42,72.6 ; v1(87.24,64.58) 87.24,64.62 U1#4.R19 ; 78.42,65.4 78.42,66.2 77.62,66.2 ; 78.42,65.4 78.82,65.4 ; U3#2.4 74.32,54.28 72.6,54.28 71.99,54.89 v3(71.99,54.97) ; v1(66.12,53.49) 66.07,53.44 J3#4.1 66.07,53.42 ; U1#4.D4 v1(75.2,74.21) ; v1(96.11,70.26) 95.7,69.85 U2#3.A1 ; U1#4.F7 U1#4.G7 ; U1#4.M16 84.82,67 v1(84.02,67) ; v1(80.02,67.8) U1#4.M9 ; v1(80.02,67.8) v1(80.02,67) ; 77.62,65.4 77.62,66.2 ; U2#3.A3 95.39,71.13 v1(95.39,71.07) ; v1(84.02,67) U1#4.M14 ; v1(102.41,69.62) 102.19,69.84 U2#3.J1 ; 84.02,62.98 84.04,62.98 U1#4.V15 ; 84.02,62.98 84.02,62.2 ; 84.02,62.98 84.04,63 ; 80.82,68.6 U1#4.K10 ; 80.82,68.6 80.82,69.4 ; 80.82,68.6 U1#4.L10 ; 80.82,68.6 81.62,68.6 ; 80.82,68.6 U1#4.L11 ; 80.82,68.6 U1#4.K11 ; v1(83.24,62.89) 83.35,63 84.04,63 ; v1(83.24,62.89) 83.13,63 82.44,63 ; v1(83.24,62.89) 83.33,62.89 U1#4.V14 ; v1(83.24,62.89) 83.22,62.87 83.22,62.2 ; 79.22,62.98 79.22,62.2 ; 77.63,75.01 v1(77.63,74.2) 77.63,75.01 ; 77.63,75.01 U1#4.B7 ; 83.22,62.2 84.02,62.2 ; 78.82,65.4 U1#4.P8 ; R39#4.2 86.63,77.94 v1(86.62,77.93) ; v1(96.08,75.03) 96.47,74.64 U2#3.B7 ; 81.62,68.2 U1#4.L12 ; 81.62,68.2 81.62,68.6 ; U1#4.M2 73.65,67.03 v1(73.65,66.98) ; U1#4.V19 88,62.22 v1(88,62.21) ; U1#4.G17 86.42,71.8 v1(86.42,71.81) ; v1(87.26,62.22) 87.27,62.21 v1(88,62.21) ; U1#4.B14 84,75.02 v1(84.03,75.02) ; 81.62,68.6 81.62,69 U1#4.K12 U1#4.J12 ; U1#4.W19 88.02,61.4 v1(88.02,61.37) 88.02,62.18 v1(88,62.21) ; 84.85,70.21 84.85,70.21 v1(84.82,70.21) ; v1(97.7,71.07) 97.33,71.44 U2#3.C3 ; 84.02,62.2 U1#4.W15 ; U1#4.R4 v1(75.22,64.6) ; U1#4.U4 v1(75.22,63) ; U1#4.J10 80.42,69.4 80.82,69.4
  Top w0.2: 96.36,56.76 v3(96.36,55.92) ; C89#4.2 66.91,65.48 C87#2.2 66.92,66.76 66.94,66.78 ; v1(83.95,69.39) 84.18,69.39 84.42,69.15 U1#4.K15 84.43,69 v1(84.85,69.41) ; v1(64.36,67.21) 63.85,66.69 C84#3.2 ; v1(77.77,88.19) 77.73,88.14 77.49,88.14 ; U1#4.G7 78.42,71.4 ; C85#3.2 67.2,67.48 v1(67.16,67.53) ; 65.87,87.9 66.72,87.9 66.8,87.98 ; v1(70.34,84.59) 70.33,84.6 70.33,85.73
  Top w0.3: v1(70.62,83.78) 70.62,83.78 D0#4.1 ; D3#4.1 66.39,84.03 v1(66.15,84.27) ; 67.83,88.41 67.83,89.55 v1(67.82,89.56) ; v2(62.6,84.65) 63.03,84.22 D5#4.1 ; v1(75.7,89.5) 75.43,89.23 75.43,88.41 ; 84.02,69.39 83.96,69.39 v1(83.95,69.39) ; v1(70.43,89.5) 70.43,87.02 70.33,86.92 70.33,85.73 ; D2.1 68.07,84.37 v1(68.05,84.39) ; C15.2 68.15,71.6 68.24,71.51 v3(68.68,71.51) 68.68,70.9 Y1#4.2 ; v1(88,62.21) 88.01,62.19 88.02,62.19 ; v1(72.83,89.33) 72.83,89.33 72.83,88.41 ; v3(64.04,84.42) 64.7,83.75 D4#4.1 ; D1#3.1 69.75,84 v1(70.34,84.59) ; 78.44,63.01 78.42,63 v1(78.42,62.97) ; D7#2.1 58.78,83.75 v1(58.78,83.76) ; D6.1 61.35,84.26 v1(61.58,84.5)
  Top w0.5: 66.61,86.04 67.18,85.47 67.76,85.47 68.15,85.86 68.53,85.86 68.53,86.41 67.83,87.11 67.83,88.41 ; 67.83,88.41 75.43,88.41 ; 67.83,88.41 67.36,87.93 66.22,87.93 66.27,87.98 66.8,87.98 ; 75.43,88.41 76,88.41 76.55,87.86 77.16,87.86 77.45,88.14 77.49,88.14 ; 75.43,88.41 75.43,86.76 74.73,86.06 74.73,85.86 ; 74.73,85.86 74.06,85.19 74.06,85 75.68,85 75.71,84.97 75.97,85.23 75.97,85.37 75.48,85.86 74.73,85.86 ; 74.73,85.86 75.43,85.86 ; 74.73,85.86 74.73,85.01 74.72,85
  Bottom w0.127: v1(80.37,89.72) 80.37,89.71 80.37,88.91 ; v3(92.37,89.74) 92.37,89.73 J2#3.74 ; C80.2 v1(98.48,75.03) ; v1(80.37,53.14) 81.9,53.14 82.37,52.67 J1#4.23 ; v1(80.37,53.14) 80.37,53.14 J1#4.13 ; v1(80.37,53.14) 80.58,53.35 80.58,54.39 80.37,54.6 J1#4.14 ; v1(86.48,54.39) 86.18,54.39 85.97,54.6 J1#4.42 ; J2#3.92 95.97,89.71 v3(95.96,89.72) ; v1(97.69,75.01) 97.27,74.59 97.27,74.12 ; v1(94.72,85.72) 94.77,85.76 J2#3.85 ; J2#3.26 82.77,89.44 82.51,89.71 81.78,89.71 ; 81.78,89.71 81.57,89.71 ; 81.78,89.71 81.77,89.72 v1(81.77,90.34) ; J2#3.98 97.17,88.67 97.3,88.54 98.4,88.54 v3(98.66,88.8) ; 86.37,88.91 86.37,88.45 86.29,88.37 85.2,88.37 ; v1(78.05,53.12) 77.97,53.04 J1#4.1 ; v1(95.39,71.07) 95.39,71.62 95.23,71.79 C82#3.2 ; C79#2.2 C81#3.2 97.48,71.64 97.48,71.29 v1(97.7,71.07) ; J2#3.25 82.77,85.83 v1(82.76,85.83) ; J2#3.37 85.17,86.91 v3(85.17,86.91) ; J2#3.62 89.97,89.63 v3(89.97,89.64) ; J2#3.61 89.97,86.96 v3(89.92,87.01) ; v1(80.02,67.8) 80.02,68.15 79.42,68.75 79.42,68.83 ; J2#3.56 88.77,89.64 v3(88.77,89.65) ; 85.2,88.37 83.95,88.37 83.97,88.38 J2#3.32 83.97,89.91 v1(83.76,90.12) ; 85.2,88.37 85.17,88.4 J2#3.38 ; v1(90.69,54.45) 90.77,54.53 J1#4.66 ; v3(93.57,89.72) 93.57,89.71 J2#3.80 ; 83.22,64.95 83.27,65.01 v1(83.29,65.01) ; J2#3.86 94.77,89.73 v3(94.78,89.75) ; J1#4.8 79.17,54.52 v1(79.09,54.44) ; v1(78.39,79.47) 78.11,79.75 D8#4.2 ; v1(96.01,86.93) 95.97,86.88 J2#3.91 ; v1(79.09,54.44) 78.99,54.54 78.03,54.54 77.97,54.6 J1#4.2 ; v1(79.09,54.44) 79.11,54.44 ; C83.1 64.59,70.02 v3(64.74,69.87) ; v1(93.58,87.7) 93.4,87.52 93.4,86.87 93.57,86.71 J2#3.79 ; v1(84.03,75.02) 84.5,75.49 R52#4.2 R48#3.2 ; 80.37,86.2 80.37,86.75 v3(80.63,87.01) 80.65,86.99 81.38,86.99 81.57,86.8 J2#3.19 ; v1(81.62,67.8) 81.62,68.23 82.22,68.83 ; v1(84.11,53.44) 84.37,53.18 84.37,52.35 J1#4.33 ; J1#4.53 88.37,52.83 v1(88.53,52.99) ; v1(90.77,52.93) 90.77,52.92 J1#4.65 ; v1(92.05,52.95) 91.97,52.86 J1#4.71 ; 83.43,63.21 83.43,63.22 83.4,63.24 ; v1(79.17,53.14) 79.17,53.14 J1#4.7 ; v1(80.75,54.23) 80.37,54.61 J1#4.14 ; v1(96.78,54.36) 96.93,54.36 97.17,54.6 J1#4.98 ; v1(86.35,52.93) 86.37,52.91 J1#4.43 ; J1#4.14 80.37,54.69 80.52,54.54 81.9,54.54 81.97,54.6 J1#4.22 ; J2#3.31 83.97,85.83 v1(83.88,85.74) ; v1(89.61,54.49) 89.57,54.53 J1#4.60 ; v3(92.49,86.97) 92.37,86.85 J2#3.73 ; v3(91.16,89.75) 91.17,89.74 J2#3.68 ; 83.97,69.39 v1(83.95,69.39) ; J2#3.7 v1(79.17,85.6) ; J2#3.67 91.17,85.72 v3(91.13,85.69) ; J2#3.97 97.17,85.82 v3(97.15,85.8) ; 79.42,69.4 79.42,69.42 ; C14#4.2 79.32,67.98 79.42,68.08 ; J2#3.50 87.57,89.62 v3(87.57,89.63) ; v1(88.07,87.11) 88.37,87.11 88.77,86.7 J2#3.55 ; J2#3.20 81.57,89.71 ; R17#3.1 84.2,82.96 v1(84.18,82.95) ; 83.97,55.21 83.97,54.73 v1(84.36,54.34) ; v1(88,54.41) 87.97,54.44 J1#4.52 ; v1(89.59,52.98) 89.57,52.95 J1#4.59 ; J1#4.74 92.37,55.64 v1(92.35,55.66) ; v1(75.8,77.96) 75.82,77.98 D9.2
  Bottom w0.2: v1(63.71,85.8) 64.24,86.33 C49#2.2 ; v3(65.94,85.24) 65.73,85.45 65.73,86.28 C53#3.2 ; v3(102.81,54.98) 102.85,54.94 102.85,54.45 ; v1(62.66,59.34) 62.68,59.33 C86#3.2 ; v1(65.53,60.19) 65.43,60.29 C90.2 ; v1(67.5,87.82) 67.55,87.77 C38#3.2 ; C18#3.2 74.78,90.04 v1(75.06,90.32) ; C88.2 65.51,59.3 v1(65.53,59.28) ; J2#3.8 79.17,89.71 v1(79.18,89.73) ; 89.62,82.94 R9#4.1 89.58,82.68 v1(89.6,82.66)
  Bottom w0.3: v1(106.95,83.4) 106.95,83.4 C52#2.2 ; v1(80.82,67.8) 80.82,69.68 80.86,69.72 ; v1(80.82,67.8) v1(81.62,67.8) ; v1(80.82,67.8) v1(80.02,67.8) ; 83.41,64.63 83.41,63.75 ; 83.41,64.63 83.41,64.77 ; 83.41,64.63 84.02,64.63 84.19,64.8 C29#4.2 ; 83.41,63.75 83.36,63.8 v1(83.22,63.8) ; 83.41,63.75 83.4,63.24 ; v1(77.66,67.04) 78.22,66.48 78.22,64.31 78.42,64.1 v1(78.42,62.97) 77.25,64.14 77.25,64.93 ; v1(63.91,58.43) 63.73,58.25 C21#4.2 ; C24#2.2 98.47,80.98 v1(98.02,80.54) ; C25#4.2 83.24,69.42 83.26,69.4 ; 78.44,69.43 77.63,69.43 v1(77.62,69.43) ; 80.86,69.72 81.9,69.72 82.22,69.4 ; 80.86,69.72 79.72,69.72 79.42,69.42 ; v3(75.7,54.21) 75.5,54.42 C51#4.2 C50.2 ; v3(102.91,57.86) 103.39,58.33 v2(104.19,58.33) ; 102.81,55.6 v3(102.81,54.98) ; 78.45,69.4 79.42,69.4 79.42,68.08 ; v3(65.94,85.24) 65.94,84.48 v1(66.15,84.27) ; 83.11,69.4 83.12,69.4 83.26,69.4 ; v1(103.02,69.84) 103.02,70.44 C95#2.2 104.55,70.53 C96#4.2 ; v1(83.24,62.89) 83.24,63.02 83.43,63.21 ; 64.1,81.22 63.64,80.76 v2(63.64,80.55) ; C48#3.2 67.56,86.24 v1(67.53,86.27) ; C27#2.2 79.24,63.83 v1(79.22,63.82) ; 84.02,69.4 83.96,69.4 v1(83.95,69.39) ; 84.02,69.4 83.26,69.4 ; 84.02,69.4 82.22,69.4 ; 83.22,64.95 83.41,64.77 ; 83.41,64.77 83.29,64.88 v1(83.29,65.01) 83.29,66.27 v1(84.02,67) ; 104.16,55.32 104.16,55.06 ; 100.67,69.83 100.67,69.33 100.39,69.05 C76#3.2 100.99,68.23 v1(101,68.23) ; 82.22,69.4 82.22,68.02 82.26,67.98 C13#4.2 ; v1(110.1,72.93) 110.19,73.01 C98#3.2 ; C19#4.2 81.32,76.23 81.32,77.15 v3(81.11,77.36) ; C9#4.2 108.09,80.11 v3(108.42,79.77) 108.42,79.75 107.8,79.13 ; C28.2 82.44,63.86 v1(82.39,63.81) 82.2,64 C17#4.2 ; C16.2 97.02,59.95 v1(97.06,59.99) ; 105.53,79.17 104.75,79.95 104.75,81.23 v2(104.45,81.53) ; v1(63.71,85.8) 64.04,85.47 v3(64.04,84.42) 64.2,84.26 64.2,83.48 ; v2(111.22,68.33) 111.15,68.4 C97#4.2
  Bottom w0.5: C8#4.2 103.92,79.38 v3(103.94,79.4) ; U6#4.2 61.82,80.13 v2(62.05,80.36) ; v2(105.19,58.71) 105.19,58.71 U5#2.2 ; C11#3.2 64.1,81.22 ; v2(103.9,67.46) 103.91,67.45 104.72,67.45 ; C3#2.2 v3(102.91,57.86) ; v3(64.11,79.23) 64.47,79.59 C12.2 ; C76#3.2 100.36,68.23 v2(99.66,67.53) ; v2(62.79,73.96) 62.77,73.98 C23.2 ; U7#2.2 104.48,81.51 ; C4.2 102.63,59.49 v3(102.88,59.74) ; C1#3.2 v2(62.6,84.65) ; v2(105.18,64.08) 104.67,64.6 C22#4.2 ; C7#3.2 105.55,79.15 105.53,79.17 ; v2(103.88,54.96) 104.06,54.96 C5#2.2
  vias: v1(58.09,88) v1(58.08,86.04) v1(58.08,82.05) v1(58.09,76.04) v1(58.08,56.04) v1(58.37,52.5) v1(59.26,55.32) v1(59.66,61.08) v1(59.89,51.25) v1(60.15,90.18) v1(61.77,90.34) v1(62.59,63.25) v1(63.49,62.35) v1(63.77,90.34) v1(63.93,51.14) v1(65.77,90.34) v1(67.96,51.11) v1(73.34,90.34) v1(75.77,90.34) v1(76.48,89.15) v1(77.77,90.34) v1(79.77,90.34) v1(88.68,90.36) v1(90.68,90.36) v1(92.68,90.36) v1(93.03,51.23) v1(94.68,90.36) v1(94.79,51.21) v1(96.48,51.18) v1(96.68,90.36) v1(99.33,51.98) v1(100.16,90.29) v1(100.42,51.19) v1(100.66,63.68) v1(101.39,63.68) v1(103.68,90.36) v1(105.35,69.11) v1(105.68,90.36) v1(106.45,76.28) v1(107.68,90.36) v1(107.81,76.18) v1(107.93,51.09) v1(110.77,90.17) v1(111.98,52.28) v1(112.48,87.16) v1(112.48,84.61) v1(112.48,82.61) v1(112.48,80.61) v1(112.48,78.61) v1(112.48,76.61) v1(112.48,74.61) v1(112.48,72.61) v1(112.48,70.61) v1(112.48,68.61) v1(112.48,66.61) v1(112.48,54.61) v2(62.02,81.18) v2(103.03,67.46) v2(103.44,68.01) v2(103.41,66.51) v2(105.19,57.96) v2(106.14,58.33)
